# Allegro board LAUNCHXL-CC2640R2.brd
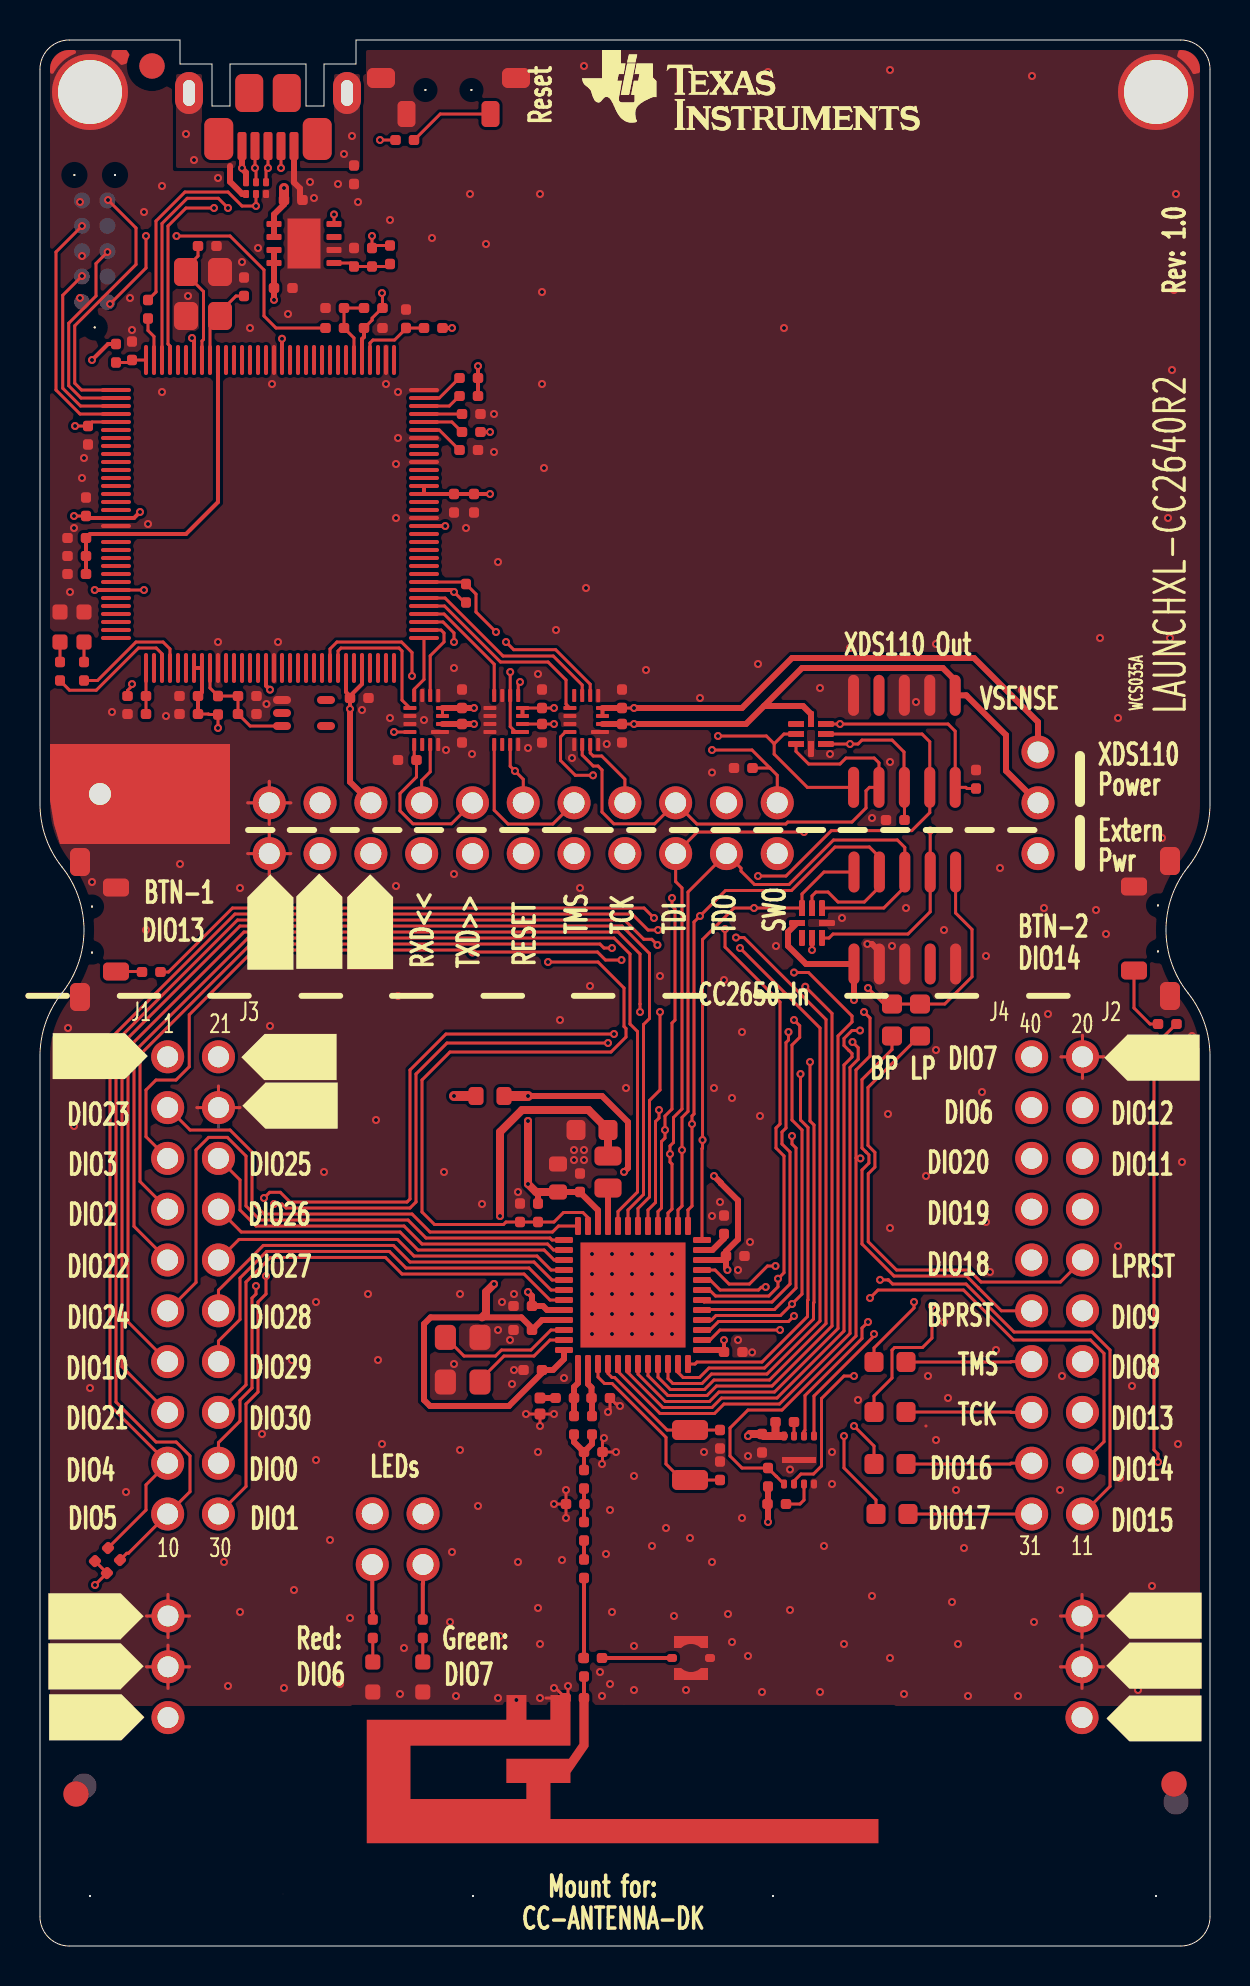
[diagram p0: board, top side]
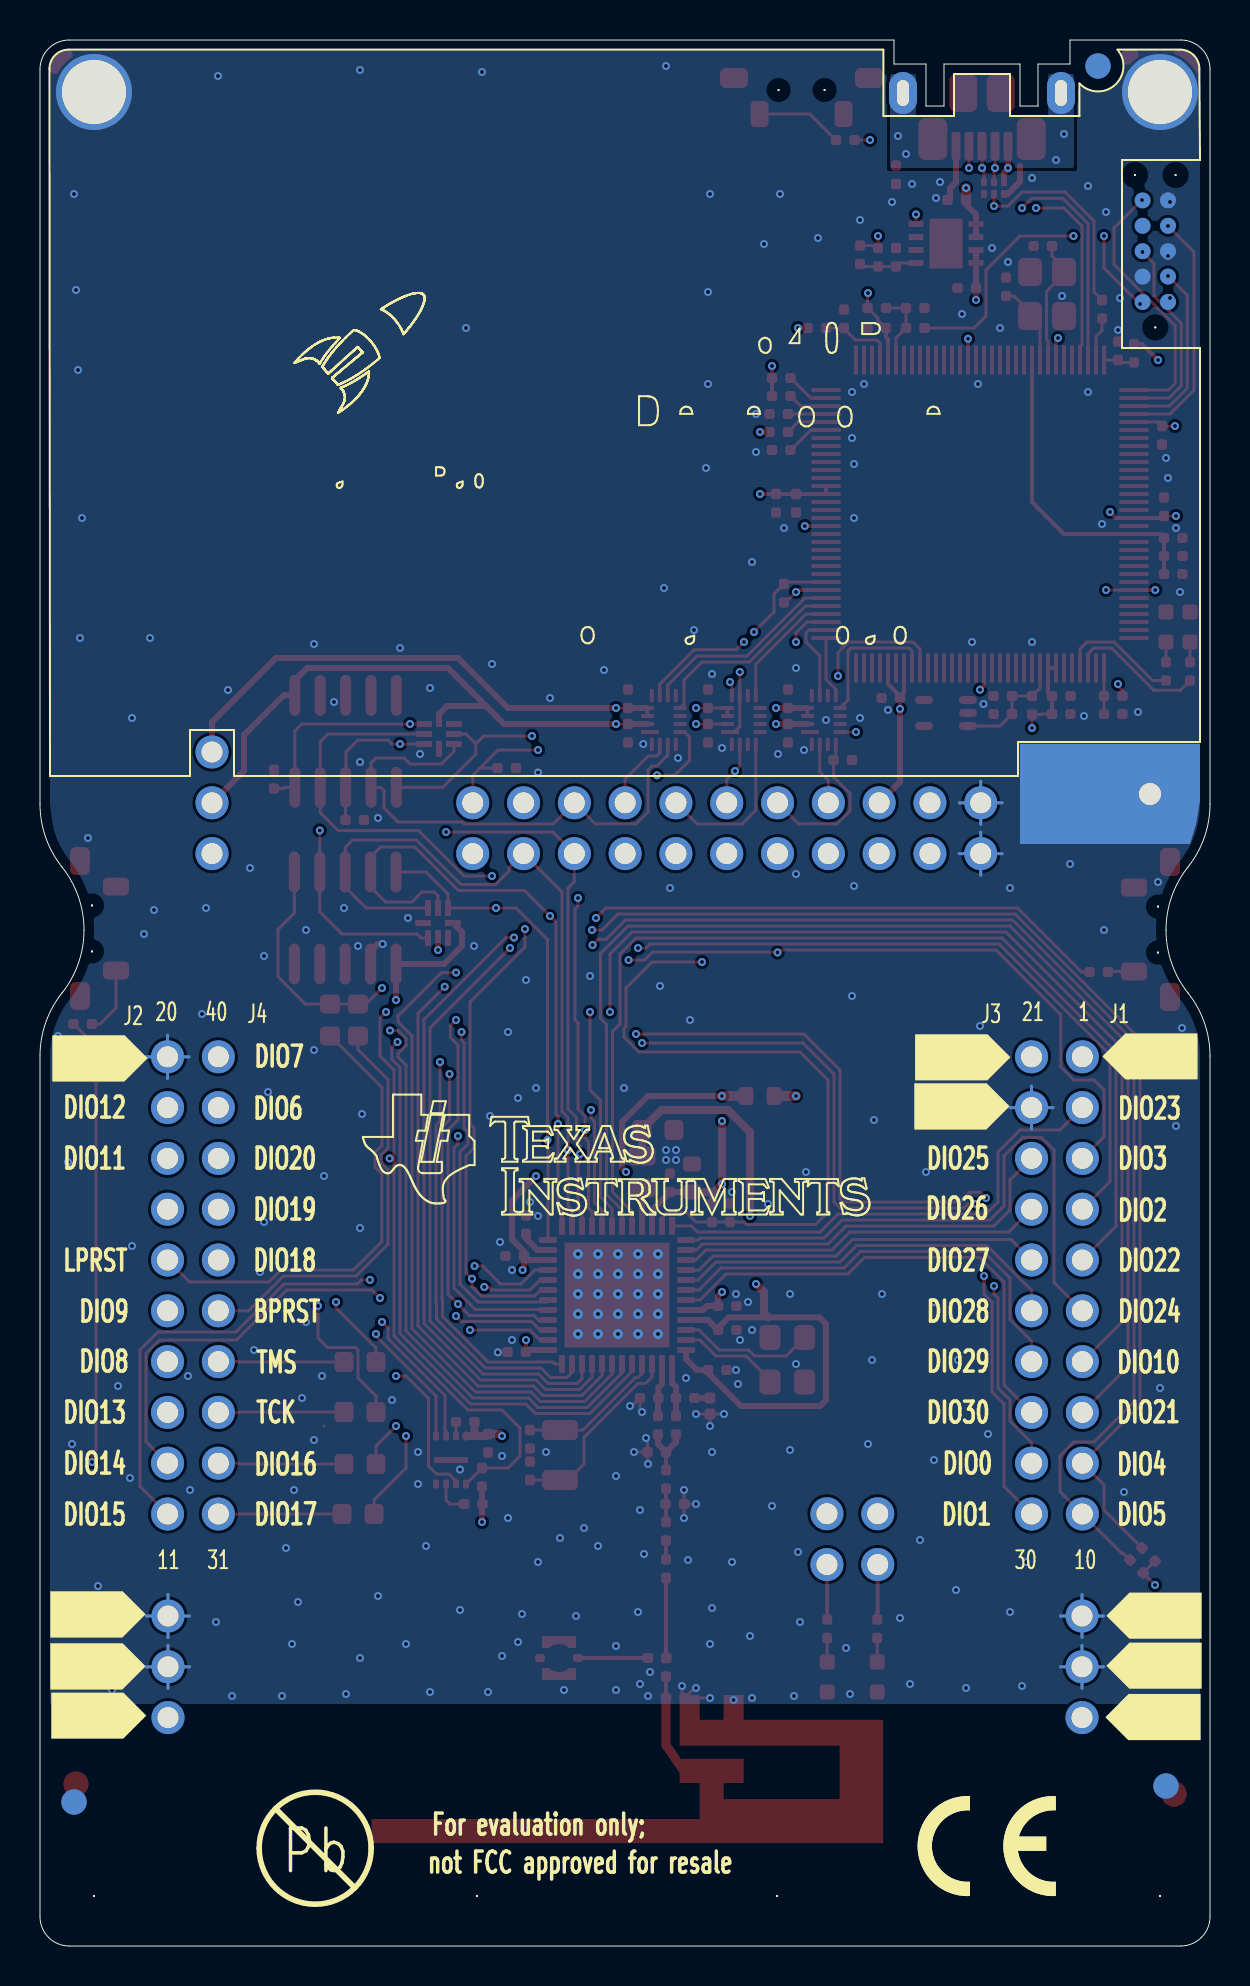
[diagram p1: board, bottom side, seen from below]

Outline 58.5 x 95.3 mm; copper layers: TOP, L2, L3, BOTTOM. Coordinates in mm from the lower left corner of the outline.
Outline path: 0,93.84 0,57.1 arc(0.28,55.43) 1.1,53.95 arc(1.92,52.47) 2.2,50.8 arc(1.92,49.13) 1.1,47.65 arc(0.28,46.17) 0,44.5 0,1.46 arc(0.43,0.43) 1.46,0 57.04,0 arc(58.07,0.43) 58.5,1.46 58.5,44.5 arc(58.22,46.17) 57.4,47.65 arc(56.58,49.13) 56.3,50.8 arc(56.58,52.47) 57.4,53.95 arc(58.22,55.43) 58.5,57.1 58.5,93.84 arc(58.07,94.87) 57.04,95.3 15.8,95.3 15.8,94.1 14.2,94.1 14.2,92 13.3,92 13.3,94.1 9.5,94.1 9.5,92 8.6,92 8.6,94.1 7,94.1 7,95.3 1.46,95.3 arc(0.43,94.87) 0,93.84

## Design rules (mm)
nets with their own width: min track width 0.15; nets GND V-SENSE VDDR VDDS WMCU_VDD XDS_VCC
nets with their own width: min track width 0.3; nets +5V

## Placement (name value [footprint] x y rotation side)
A1  2.4GHz  [ANTENNA_DN007AN]  27.2 12.3 180 top
C3  100nF  [CAPC1005X60B2N]  34.2 29.7 0 top
C4  100nF  [CAPC1005X60B2N]  34.3 34.5 0 top
C5  100nF  [CAPC1005X60B2N]  24.6 32 180 top
C6  10uF  [CAPC1608X90N#2]  25.9 37.7 90 top
C7  100nF  [CAPC1005X60B2N]  27 37.7 90 top
C8  10uF  [CAPC1608X90N]  28.4 40.8 180 top
C9  100nF  [CAPC1005X60B2N]  25.1 28.8 180 top
C11  1pF  [CAPC1005X60B2N]  26.7 26.5 270 top
C12  DNM_0402  [CAPC1005X60B2N]  27.2 24.7 0 top
C13  1pF  [CAPC1005X60B2N]  26.3 22.1 0 top
C15  DNM_0402  [CAPC1005X60B2N]  27.2 12.4 180 top
C16  100nF  [CAPC1005X60B2N]  24.6 30.8 180 top
C17  12pF  [CAPC1005X60B2N]  34 23.3 90 top
C18  12pF  [CAPC1005X60B2N]  34 25.8 270 top
C19  1uF  [CAPC1005X60B2N]  34.2 35.6 90 top
C20  100nF  [CAPC1005X60B2N]  24 36.2 90 top
C21  1pF  [CAPC1005X60B2N]  28.5 27.4 180 top
C24  12pF  [CAPC1005X60B2N]  27.2 18.4 90 top
C30  100nF  [CAPC1005X60B2N]  36.1 25.6 270 top
C31  6.8pF  [CAPC1005X60N]  25 27.4 270 top
C32  100nF  [CAPC1005X60B2N]  9.9 62.5 0 top
C33  12pF  [CAPC1005X60B2N]  10.2 82.5 90 top
C34  12pF  [CAPC1005X60B2N]  7.9 85 0 top
C35  10nF  [CAPC1005X60B2N]  15.5 62.4 0 top
C36  10nF  [CAPC1005X60B2N]  2.3 71.5 90 top
C37  10nF  [CAPC1005X60B2N]  2.4 76 270 top
C38  100nF  [CAPC1005X60B2N]  16.2 80.9 0 top
C39  100nF  [CAPC1005X60B2N]  20.7 72.6 270 top
C40  1uF  [CAPC1005X60B2N]  21.7 72.6 270 top
C41  10nF  [CAPC1005X60B2N]  7.9 62.5 180 top
C42  1uF  [CAPC1005X60B2N]  7.9 61.6 180 top
C43  100nF  [CAPC1005X60B2N]  2.3 70.4 180 top
C44  1uF  [CAPC1005X60B2N]  2.3 69.5 180 top
C45  2.2uF  [CAPC1005X60B2N]  2.3 68.6 180 top
C46  100nF  [CAPC1005X60B2N]  18.3 80.9 90 top
C47  15pF  [CAPC1005X60B2N]  16.6 84.9 270 top
C48  2.2uF  [CAPC1005X60B2N]  12.2 87.3 0 top
C49  2.2uF  [CAPC1005X60B2N]  11.7 82.9 0 top
C50  10nF  [CAPC1005X60B2N]  9.9 61.6 0 top
C51  1.8pF  [CAPC1005X60B2N]  27.2 14.4 270 top
C52  100nF  [CAPC1005X60B2N]  21.1 61.9 90 top
C53  100nF  [CAPC1005X60B2N]  21.1 61.1 270 top
C54  100nF  [CAPC1005X60B2N]  25.1 61.9 90 top
C55  100nF  [CAPC1005X60B2N]  25.1 61.1 270 top
C56  100nF  [CAPC1005X60B2N]  29.1 61.9 90 top
C57  100nF  [CAPC1005X60B2N]  29.1 61.1 270 top
C58  DNM_0402  [CAPC1005X60B2N]  28.1 14.4 180 top
C59  10nF  [CAPC1005X60B2N]  4.6 79.3 90 top
CR1  LPL296-J2L2-25  [LEDC1707X65L]  19.14 12.7 90 top
CR2  LS L296-P2Q2-1  [LEDC1708X67L]  16.64 12.7 90 top
CR4  LS L296-P2Q2-1  [LEDC1708X67L]  1 66.7 270 top
CR5  LPL296-J2L2-25  [LEDC1707X65L]  2.2 66.7 270 top
CR6  TPD4E004DRY  [SON50P100X145X60-6N]  10.3 87.6 0 top
CR7  TPD6E004RSER  [QFN50P150X150X60-8N]  37.8 61.1 270 top
CR8  TPD6E004RSER  [QFN50P150X150X60-8N]  38.1 50.4 0 top
FIDU1  FIDU_1.27mm  [FID127X142]  5.6 94 0 top
FIDU2  FIDU_1.27mm  [FID127X142]  1.8 7.6 0 top
FIDU3  FIDU_1.27mm  [FID127X142]  56.7 8.1 0 top
FIDU4  FIDU_1.27mm  [FID127X142]  5.6 94 180 bottom
FIDU5  FIDU_1.27mm  [FID127X142]  2.2 8 180 bottom
FIDU6  FIDU_1.27mm  [FID127X142]  56.8 7.2 180 bottom
FL1  BLM18HE152SN1  [FIL_BLM18HE152SN1DL]  23.2 42.5 180 top
J1  SSQ-110-23-L-D  [SAMTEC_SSQ11023LD_A2B]  6.38 44.46 0 bottom
J2  SSQ-110-23-L-D  [SAMTEC_SSQ11023LD_A2B]  49.58 44.46 0 bottom
J6  105164-0001  [MOLEX_1051640001_A2N]  10.1 90 0 top
L1  10uH  [INDC2012X150L]  28.4 37.9 90 top
L11  2.4nH  [INDC1005X60B2N]  26.7 27.4 180 top
L12  2nH  [INDC1005X60B2N]  27.2 23.8 270 top
L13  2nH  [INDC1005X60B2N]  27.2 21.2 270 top
L21  2.4nH  [INDC1005X60B2N]  27.6 26.5 270 top
LBL1  NON_COMPONENT_LABEL_8mm  [LABEL_PB-FREE_8MM_A2N]  54.1 1.9 180 bottom
LBL2  CE_label  [CE_LABEL]  12 2.5 180 bottom
M1  SNT-100-BK-G  [SAMTEC_SNT100BKG]  17.9 17.8 90 top
M2  SNT-100-BK-G  [SAMTEC_SNT100BKG]  20.4 17.8 90 top
M3  SNT-100-BK-G  [SAMTEC_SNT100BKG]  12.7 53.3 90 top
M4  SNT-100-BK-G  [SAMTEC_SNT100BKG]  15.3 53.3 90 top
M5  SNT-100-BK-G  [SAMTEC_SNT100BKG]  17.8 53.3 90 top
M6  SNT-100-BK-G  [SAMTEC_SNT100BKG]  20.3 53.3 90 top
M7  SNT-100-BK-G  [SAMTEC_SNT100BKG]  22.9 53.3 90 top
M8  SNT-100-BK-G  [SAMTEC_SNT100BKG]  25.4 53.3 90 top
M9  SNT-100-BK-G  [SAMTEC_SNT100BKG]  28 53.3 90 top
M10  SNT-100-BK-G  [SAMTEC_SNT100BKG]  30.5 53.3 90 top
M11  SNT-100-BK-G  [SAMTEC_SNT100BKG]  33.1 53.3 90 top
M12  SNT-100-BK-G  [SAMTEC_SNT100BKG]  35.6 53.3 90 top
M13  SNT-100-BK-G  [SAMTEC_SNT100BKG]  38.2 53.3 90 top
M14  SNT-100-BK-G  [SAMTEC_SNT100BKG]  51.2 55.9 90 top
MH1  HOLE_3.2mm_NPL  [MTG320]  2.5 2.5 0 top
MH2  HOLE_3.2mm_NPL  [MTG320]  55.8 2.5 0 top
MH3  HOLE_3.2mm_PTH  [MTG320_380]  2.5 92.7 0 top
MH4  HOLE_3.2mm_PTH  [MTG320_380]  55.8 92.7 0 top
MH5  HOLE_1.1mm_PTH  [MTG110_170]  3 57.6 0 top
NOREF  -  []  51.5 42 0 top
NOREF#2  -  []  16.5 46.4 90 top
NOREF#3  -  []  53.1 10 0 top
NOREF#4  #VALUE  [unnamed#2]  21.65 2.5 0 top
NOREF#5  -  []  51.6 14.1 0 top
NOREF#6  -  []  -2 8.9 0 top
NOREF#7  -  []  8.4 41.9 0 top
NOREF#8  -  []  40.01 0 90 top
NOREF#9  -  []  -4.3 43.3 0 top
NOREF#10  -  []  -1.9 11.6 0 top
NOREF#11  -  []  -1.9 14.1 0 top
NOREF#12  -  []  51.6 11.6 0 top
NOREF#13  -  []  0 79.15 0 top
NOREF#14  -  []  13.9 46.5 90 top
NOREF#15  -  []  8.4 39.6 0 top
NOREF#16  -  []  17.7 43.9 90 top
NOREF#17  -  []  69.6 61.5 0 top
NOREF#18  -  []  6.9 14.1 180 bottom
NOREF#19  #VALUE  []  96.5 59.2 180 bottom
NOREF#20  -  []  76.2 40.5 180 bottom
NOREF#21  -  []  60.2 42 180 bottom
NOREF#22  -  []  17.1 39.6 180 bottom
NOREF#23  -  []  6.9 8.9 180 bottom
NOREF#24  -  []  5.6 43.1 180 bottom
NOREF#25  -  []  6.9 11.6 180 bottom
NOREF#26  -  []  123.1 13 180 bottom
NOREF#27  -  []  95.6 48.4 180 bottom
NOREF#28  -  []  60.3 14.2 180 bottom
NOREF#29  -  []  60.3 11.6 180 bottom
NOREF#30  -  []  17.2 41.9 180 bottom
NOREF#31  -  []  58 10.3 180 bottom
NOREF#32  -  []  51.53 65.52 180 bottom
P1  BB02-HC031-KB1-603000  [GRADCONN_BB02HC031KB1603000_A2B]  52.1 11.42 90 top
P2  BB02-HC031-KB1-603000  [GRADCONN_BB02HC031KB1603000_A2B]  6.4 11.42 90 top
P4  BB02-HJ221-KB1-603000  [GRADCONN_BB02HJ221KB160300_A2B]  36.86 57.16 180 top
P5  FTSH-105-01-F-DV-K  [SAMTEC_FTSH-105-01-F-DV-K-10L]  40.7 49.1 0 top
P6  BB02-HJ041-KB1-603000  [GRADCONN_BB02HJ041KB1603000_A2B]  16.61 19.07 0 top
P7  FTSH-105-01-F-DV-K  [SAMTEC_FTSH-105-01-F-DV-K-10L]  45.76 62.53 180 top
P8  TC2050-IDC-NL  [TAGCONNECT_TC2050IDCNLN]  2.1 82.2 90 bottom
P10  BB02-HC031-KB1-603000  [GRADCONN_BB02HC031KB1603000_A2B]  49.9 59.7 270 top
P11  MM5829-2700  [MURATA_MM58292700RJ4_A2N]  31.6 14.4 0 top
R1  100k  [RESC1005X40B2N]  24.9 36.2 90 top
R2  3.3k  [RESC1005X40B2N]  3.4 19.9 225 top
R3  3.3k  [RESC1005X40B2N]  4 19.3 225 top
R11  2.2k  [RESC1005X40B2N]  36.4 23.9 270 top
R14  220  [RESC1005X40B2N]  16.64 15.4 90 top
R15  180  [RESC1005X40B2N]  19.14 15.4 90 top
R17  10k  [RESC1005X40B2N]  16.2 81.9 0 top
R18  4.7k  [RESC1005X40B2N]  8.9 62.5 270 top
R20  100  [RESC1005X40B2N]  15.2 80.9 180 top
R21  DNM  [RESC1005X40B2N]  15.2 81.9 180 top
R22  330k  [RESC1005X40B2N]  5.3 62.5 180 top
R23  180  [RESC1005X40B2N]  1 64.2 270 top
R24  220k  [RESC1005X40B2N]  5.3 61.6 180 top
R25  220  [RESC1005X40B2N]  2.2 64.2 270 top
R27  1k  [RESC1005X40B2N]  21.9 77.5 180 top
R28  4.87k  [RESC1005X40B2N]  21.9 74.8 180 top
R29  1k  [RESC1005X40B2N]  21.1 76.6 0 top
R30  1k  [RESC1005X40B2N]  21.1 75.7 0 top
R31  51  [RESC1005X40B2N]  19.2 80.9 0 top
R32  33k  [RESC1005X40B2N]  15.7 88.1 90 top
R33  51k  [RESC1005X40B2N]  17.5 84.1 90 top
R34  30k  [RESC1005X40B2N]  15.7 84.9 270 top
R39  1k  [RESC1005X40B2N]  21.9 78.4 180 top
R46  DNM  [RESC1608X55N]  43.3 29.2 180 top
R47  DNM  [RESC1608X55N]  43.3 26.7 180 top
R48  DNM  [RESC1608X55N]  43.3 24.1 180 top
R49  DNM  [RESC1608X55N]  43.4 21.6 180 top
R51  DNM  [RESC1608X55N]  44 45.5 90 top
R52  0  [RESC1608X55N]  42.6 47.1 270 top
R55  100  [RESC1005X40B2N]  55.9 46.1 0 top
R56  100  [RESC1005X40B2N]  5.1 48.7 0 top
R57  100  [RESC1005X40B2N]  18.7 90.3 180 top
R58  3.3k  [RESC1005X40B2N]  21.3 68.1 270 top
R59  DNM  [RESC1005X40B2N]  37.3 22.1 180 top
R60  DNM  [RESC1005X40B2N]  37.7 26.2 180 top
R61  100k  [RESC1005X40B2N]  17.9 59.3 0 top
R62  100k  [RESC1005X40B2N]  34.7 58.9 0 top
R63  100k  [RESC1005X40B2N]  42.3 56.3 0 top
R65  100k  [RESC1005X40B2N]  46.8 58.8 270 top
R66  100  [RESC1005X40B2N]  3.8 80.1 270 top
R67  DNM  [RESC1005X40B2N]  5.4 82.3 270 top
SW1  1188E-1K2-V  [SW_1188E1K2V_A2N]  2 54.2 270 top
SW2  1188E-1K2-V  [SW_1188E1K2V_A2N]  56.5 47.5 90 top
SW3  1188E-1K2-V  [SW_1188E1K2V_A2N]  23.8 93.4 180 top
U1  CC2640R2FRGZ  [QFNFC50P700X700X100-49A2N]  26.9 29.1 0 top
U4  MX25R8035FZUIL0  [SON50P300X200X60-9B2L]  37.2 23.1 0 top
U5  TM4C1294NCPDTT3R  [QFP40P1600X1600X120-128N]  5.3 63.9 0 top
U6  LM4040B25IDCK  [SOT65P210X110-5N]  12.1 62.3 270 top
U7  TPS79601DR  [SON65P300X300X100-9AL]  11.7 86.1 270 top
U8  SN74AVC4T245RSV  [QFNFC40P180X260X55-16A2L]  20 60.7 90 top
U9  SN74AVC4T245RSV  [QFNFC40P180X260X55-16A2L]  28 60.7 90 top
U10  SN74AVC4T245RSV  [QFNFC40P180X260X55-16A2L]  24 60.7 90 top
UNK#REFDES  -  []  28.1 94.8 0 top
Y1  32.768kHz  [XTAL_FC-135N]  32.5 23.3 90 top
Y2  24MHz  [OSCCC250X320X60-4L]  22 28.2 90 top
Y3  16MHz  [OSCCC250X320X100-4BN]  9 81.5 90 top

## Library data of the parts
A1 = ANTENNA_DN007
C3-C5 C7 C9 C11-C13 C15-C21 C24 C30 C32-C50 C52-C59 = CAPACITOR: User Part Number: #PN
C6 C8 = CAPACITOR: alternate symbols: (CAPC1608X90L,CAPC1608X90M)
C31 = CAPACITOR: alternate symbols: (CAPC1005X60L,CAPC1005X60M)
C51 = CAPACITOR_HOR: User Part Number: #PN
CR1 CR5 = LED: alternate symbols: (LEDC1707X65L,LEDC1707X65M)
CR2 CR4 = LED: alternate symbols: (LEDC1708X67L,LEDC1708X67M)
CR6 = DIODE_TPD4E004_SON6: User Part Number: #PN; alternate symbols: (SON50P100X145X65-6L,SON50P100X145X65-6M)
CR7 CR8 = DIODE_TVS_TPD6E004_QFN8_V1: alternate symbols: (QFN50P150X150X60-8L,QFN50P150X150X60-8M)
FIDU1-FIDU6 = FIDMARK
FL1 = FILTER_2PIN: alternate symbols: (FIL_BLM18HE152SN1DL,FIL_BLM18HE152SN1DM)
J1 J2 = CONN_HEADER_2X10_J_S_V1: User Part Number: #PN; alternate symbols: (SAMTEC_SSQ11023LD_A2C,SAMTEC_SSQ11023LD_A2A)
J6 = CONN_USB_MICRO_B_2MH: User Part Number: #PN; alternate symbols: (MOLEX_1051640001_A2L,MOLEX_1051640001_A2M)
L1 = INDUCTOR: alternate symbols: (INDC2012X150L,INDC2012X150M)
L11-L13 L21 = INDUCTOR: User Part Number: #PN
LBL1 = LABEL_Pb-free_V1: User Part Number: #PN
LBL2 = CE_LABEL
M1-M14 = MECH_SHUNT_JUMPER_V1: User Part Number: #PN
MH1 MH2 = HOLE_NPL
MH3-MH5 = HOLE_PTH
NOREF#4 NOREF#19 = -: User Part Number: #PN
P1 P2 P10 = CONN_HEADER_3_P_S: User Part Number: #PN; alternate symbols: (GRADCONN_BB02HC031KB1603000_A2C,GRADCONN_BB02HC031KB1603000_A2A)
P4 = CONN_HEADER_2X11_P_S: User Part Number: #PN; alternate symbols: (GRADCONN_BB02HJ221KB160300_A2C,GRADCONN_BB02HJ221KB160300_A2A)
P5 P7 = CONN_HEADER_2X5: alternate symbols: (SAMTEC_FTSH-105-01-F-DV-K-10L,SAMTEC_FTSH-105-01-F-DV-K-10M)
P6 = CONN_HEADER_2X2_P: User Part Number: #PN; alternate symbols: (GRADCONN_BB02HJ041KB1603000_A2C,GRADCONN_BB02HJ041KB1603000_A2A)
P8 = CONN_IDC_TC2050-IDC-NL: User Part Number: #PN; alternate symbols: (TAGCONNECT_TC2050IDCNLL,TAGCONNECT_TC2050IDCNLM)
P11 = CONN_COAX_1_1_P_2MH_V1: User Part Number: #PN; alternate symbols: (MURATA_MM58292700RJ4_A2L,MURATA_MM58292700RJ4_A2M)
R1 R61-R63 R65 = RESISTOR: User Part Number: #PN; alternate symbols: (RESC1005X40B2L,RESC1005X40B2M)
R2 R3 R11 R14 R15 R17 R18 R20-R25 R27-R34 R39 R55-R60 R66 R67 = RESISTOR: User Part Number: #PN
R46-R49 R51 R52 = RESISTOR: alternate symbols: (RESC1608X55L,RESC1608X55M)
SW1-SW3 = SWITCH_TACT_V2: alternate symbols: (SW_1188E1K2V_A2L,SW_1188E1K2V_A2M)
U1 = IC_RF_CC2640_VQFN48_V1: User Part Number: #PN; alternate symbols: (QFNFC50P700X700X100-49A2L,QFNFC50P700X700X100-49A2M)
U4 = IC_FLASH_MX25R8035F_USON8: User Part Number: #PN; alternate symbols: (SON50P300X200X60-9B2L,SON50P300X200X60-9B2M)
U5 = IC_PROC_TM4C1294NCPDT_TQFP128: alternate symbols: (QFP40P1600X1600X120-128L,QFP40P1600X1600X120-128M)
U6 = IC_REF_LM4040_SC70-5: alternate symbols: (SOT65P210X110-5L,SOT65P210X110-5M)
U7 = IC_PM_TPS79601_SON8: alternate symbols: (SON65P300X300X100-9AL,SON65P300X300X100-9AM)
U8-U10 = IC_XCVR_SN74AVC4T245_UQFN16_2: User Part Number: #PN; alternate symbols: (QFNFC40P180X260X55-16A2L,QFNFC40P180X260X55-16A2M)
Y1 = CRYSTAL: alternate symbols: (XTAL_FC-135L,XTAL_FC-135M)
Y2 = XTAL_4PIN_S: alternate symbols: (OSCCC250X320X60-4L,OSCCC250X320X60-4M)
Y3 = XTAL_4: alternate symbols: (OSCCC250X320X100-4BL,OSCCC250X320X100-4BM)

## Footprints (pads in the part's own frame, mm; a bottom-side part is the same pattern mirrored in y, then rotated)
ANTENNA_DN007AN
  rect 0.46x0.5 smd: 1(0,0)
  rect 1.001x0.5 smd: 2(1.18,0) 3(3.38,0)
CAPC1005X60B2N
  custom 0.524x0.5 smd: 1(0,0) 2(0.924,0)
CAPC1005X60N
  custom 0.548x0.538 smd: 1(0,0) 2(0.8,0)
CAPC1608X90N
  custom 0.95x1 smd: 1(0,0) 2(1.6,0)
CAPC1608X90N#2
  custom 0.752x0.9 smd: 1(0,0) 2(1.4,0)
CE_LABEL
  oval 0.025x0.051 smd: 1(-0.15,0.1)
FID127X142
  round 1.27 smd: 1(0,0)
FIL_BLM18HE152SN1DL
  custom 0.752x0.9 smd: 1(0,0) 2(1.4,0)
GRADCONN_BB02HC031KB1603000_A2B
  round 1.65 hole 1.05: 1(0,0) 2(2.54,0) 3(5.08,0)
GRADCONN_BB02HJ041KB1603000_A2B
  round 1.65 hole 1.05: 1(0,0) 2(0,2.54) 3(2.54,0) 4(2.54,2.54)
GRADCONN_BB02HJ221KB160300_A2B
  round 1.65 hole 1.05: 1(0,0) 2(0,2.54) 3(2.54,0) 4(2.54,2.54) 5(5.08,0) 6(5.08,2.54) 7(7.62,0) 8(7.62,2.54) 9(10.16,0) 10(10.16,2.54) 11(12.7,0) 12(12.7,2.54) 13(15.24,0) 14(15.24,2.54) 15(17.78,0) 16(17.78,2.54) 17(20.32,0) 18(20.32,2.54) 19(22.86,0) 20(22.86,2.54) 21(25.4,0) 22(25.4,2.54)
INDC1005X60B2N
  custom 0.524x0.5 smd: 1(0,0) 2(0.924,0)
INDC2012X150L
  custom 0.95x1.352 smd: 1(0,0) 2(1.6,0)
LEDC1707X65L
  custom 0.752x0.752 smd: 1(0,0) 2(1.501,0)
LEDC1708X67L
  custom 0.752x0.752 smd: 1(0,0) 2(1.501,0)
MOLEX_1051640001_A2N
  custom 1.45x2.1 smd: (-1.162,0.35) (3.762,0.35)
  custom 1.4x1.9 smd: (0.362,2.65) (2.238,2.65)
  custom 0.45x1.4 smd: 1(0,0) 2(0.65,0) 3(1.3,0) 4(1.95,0) 5(2.6,0)
  oval 1.4x2.1 hole 0.6x1.3: M1(-2.65,2.65) M2(5.25,2.65)
MTG110_170
  round 1.699 hole 1.1: 1(0,0)
MTG320
  round 0.099 hole 3.2 unplated: (0,0)
MTG320_380
  round 3.8 hole 3.2: 1(0,0)
MURATA_MM58292700RJ4_A2N
  custom 0.5x0.4 smd: 1(0,0) 2(1.9,0)
  custom 1.7x0.6 smd: M1(0.95,-0.8) M2(0.95,0.8)
OSCCC250X320X60-4L
  custom 1.25x1.052 smd: 1(0,0) 2(2.23,0) 3(2.23,1.73) 4(0,1.73)
OSCCC250X320X100-4BN
  custom 1.402x1.198 smd: 1(0,0) 2(2.2,0) 3(2.2,1.699) 4(0,1.699)
QFN50P150X150X60-8N
  custom 0.3x0.8 smd: 1(0,0) 2(0.5,0) 3(1,0) 5(1,1.5) 6(0.5,1.5) 7(0,1.5)
  custom 0.8x0.3 smd: 4(1.25,0.75) 8(-0.25,0.75)
QFNFC40P180X260X55-16A2L
  custom 0.2x0.9 smd: 1(0,0)
  custom 0.2x0.65 smd: 2(0.4,-0.125) 3(0.8,-0.125) 4(1.2,-0.125) 9(1.2,1.505) 10(0.8,1.505) 11(0.4,1.505) 12(0,1.505)
  custom 0.65x0.2 smd: 5(1.825,0.09) 6(1.825,0.49) 7(1.825,0.89) 8(1.825,1.29) 13(-0.625,1.29) 14(-0.625,0.89) 15(-0.625,0.49) 16(-0.625,0.09)
QFNFC50P700X700X100-49A2N
  custom 0.3x0.9 smd: 1(0,0) 2(0.5,0) 3(1,0) 4(1.5,0) 5(2,0) 6(2.5,0) 7(3,0) 8(3.5,0) 9(4,0) 10(4.5,0) 11(5,0) 12(5.5,0) 25(5.5,6.9) 26(5,6.9) 27(4.5,6.9) 28(4,6.9) 29(3.5,6.9) 30(3,6.9) 31(2.5,6.9) 32(2,6.9) 33(1.5,6.9) 34(1,6.9) 35(0.5,6.9) 36(0,6.9)
  custom 0.9x0.3 smd: 13(6.2,0.7) 14(6.2,1.2) 15(6.2,1.7) 16(6.2,2.2) 17(6.2,2.7) 18(6.2,3.2) 19(6.2,3.7) 20(6.2,4.2) 21(6.2,4.7) 22(6.2,5.2) 23(6.2,5.7) 24(6.2,6.2) 37(-0.7,6.2) 38(-0.7,5.7) 39(-0.7,5.2) 40(-0.7,4.7) 41(-0.7,4.2) 42(-0.7,3.7) 43(-0.7,3.2) 44(-0.7,2.7) 45(-0.7,2.2) 46(-0.7,1.7) 47(-0.7,1.2) 48(-0.7,0.7)
  rect 5.25x5.25 smd: 49(2.75,3.45)
QFP40P1600X1600X120-128N
  oval 0.201x1.501 smd: 1(0,0) 2(0.399,0) 3(0.8,0) 4(1.199,0) 5(1.6,0) 6(1.999,0) 7(2.4,0) 8(2.799,0) 9(3.2,0) 10(3.599,0) 11(4,0) 12(4.399,0) 13(4.801,0) 14(5.199,0) 15(5.601,0) 16(6,0) 17(6.401,0) 18(6.8,0) 19(7.201,0) 20(7.6,0) 21(8.001,0) 22(8.4,0) 23(8.801,0) 24(9.2,0) 25(9.601,0) 26(10,0) 27(10.399,0) 28(10.8,0) 29(11.199,0) 30(11.6,0) 31(11.999,0) 32(12.4,0) 65(12.4,15.4) 66(11.999,15.4) 67(11.6,15.4) 68(11.199,15.4) 69(10.8,15.4) 70(10.399,15.4) 71(10,15.4) 72(9.601,15.4) 73(9.2,15.4) 74(8.801,15.4) 75(8.4,15.4) 76(8.001,15.4) 77(7.6,15.4) 78(7.201,15.4) 79(6.8,15.4) 80(6.401,15.4) 81(6,15.4) 82(5.601,15.4) 83(5.199,15.4) 84(4.801,15.4) 85(4.399,15.4) 86(4,15.4) 87(3.599,15.4) 88(3.2,15.4) 89(2.799,15.4) 90(2.4,15.4) 91(1.999,15.4) 92(1.6,15.4) 93(1.199,15.4) 94(0.8,15.4) 95(0.399,15.4) 96(0,15.4)
  oval 1.501x0.201 smd: 33(13.899,1.501) 34(13.899,1.9) 35(13.899,2.301) 36(13.899,2.7) 37(13.899,3.099) 38(13.899,3.5) 39(13.899,3.899) 40(13.899,4.3) 41(13.899,4.699) 42(13.899,5.1) 43(13.899,5.499) 44(13.899,5.9) 45(13.899,6.299) 46(13.899,6.7) 47(13.899,7.099) 48(13.899,7.501) 49(13.899,7.899) 50(13.899,8.301) 51(13.899,8.7) 52(13.899,9.101) 53(13.899,9.5) 54(13.899,9.901) 55(13.899,10.3) 56(13.899,10.701) 57(13.899,11.1) 58(13.899,11.501) 59(13.899,11.9) 60(13.899,12.301) 61(13.899,12.7) 62(13.899,13.099) 63(13.899,13.5) 64(13.899,13.899) 97(-1.501,13.899) 98(-1.501,13.5) 99(-1.501,13.099) 100(-1.501,12.7) 101(-1.501,12.301) 102(-1.501,11.9) 103(-1.501,11.501) 104(-1.501,11.1) 105(-1.501,10.701) 106(-1.501,10.3) 107(-1.501,9.901) 108(-1.501,9.5) 109(-1.501,9.101) 110(-1.501,8.7) 111(-1.501,8.301) 112(-1.501,7.899) 113(-1.501,7.501) 114(-1.501,7.099) 115(-1.501,6.7) 116(-1.501,6.299) 117(-1.501,5.9) 118(-1.501,5.499) 119(-1.501,5.1) 120(-1.501,4.699) 121(-1.501,4.3) 122(-1.501,3.899) 123(-1.501,3.5) 124(-1.501,3.099) 125(-1.501,2.7) 126(-1.501,2.301) 127(-1.501,1.9) 128(-1.501,1.501)
RESC1005X40B2N
  custom 0.524x0.5 smd: 1(0,0) 2(0.924,0)
RESC1608X55N
  custom 0.95x1 smd: 1(0,0) 2(1.6,0)
SAMTEC_FTSH-105-01-F-DV-K-10L
  oval 0.551x2.05 smd: 1(0,0) 2(0,4.6) 3(1.27,0) 4(1.27,4.6) 5(2.54,0) 6(2.54,4.6) 7(3.81,0) 8(3.81,4.6) 9(5.08,0) 10(5.08,4.6)
SAMTEC_SSQ11023LD_A2B
  round 1.65 hole 1.05: 1(0,0) 2(2.54,0) 3(0,2.54) 4(2.54,2.54) 5(0,5.08) 6(2.54,5.08) 7(0,7.62) 8(2.54,7.62) 9(0,10.16) 10(2.54,10.16) 11(0,12.7) 12(2.54,12.7) 13(0,15.24) 14(2.54,15.24) 15(0,17.78) 16(2.54,17.78) 17(0,20.32) 18(2.54,20.32) 19(0,22.86) 20(2.54,22.86)
SON50P100X145X60-6N
  custom 0.3x0.402 smd: 1(0,0) 2(0.5,0) 3(1.001,0) 4(1.001,0.589) 5(0.5,0.589) 6(0,0.589)
SON50P300X200X60-9B2L
  custom 0.3x0.45 smd: 1(0,0) 2(0.5,0) 3(1,0) 4(1.5,0) 5(1.5,2.4) 6(1,2.4) 7(0.5,2.4) 8(0,2.4)
  rect 1.7x0.3 smd: 9(0.75,1.2)
SON65P300X300X100-9AL
  custom 0.3x0.75 smd: 1(0,0) 2(0.65,0) 3(1.3,0) 4(1.95,0) 5(1.95,3) 6(1.3,3) 7(0.65,3) 8(0,3)
  rect 2.5x1.65 smd: 9(0.975,1.5)
SOT65P210X110-5N
  oval 0.399x0.899 smd: 1(0,0) 2(0.65,0) 3(1.3,0) 4(1.3,2.2) 5(0,2.2)
SW_1188E1K2V_A2N
  round 0.099 hole 0.899 unplated: (2.229,0.6) (4.529,0.6)
  custom 1.4x1 smd: 1(0,0) 2(6.75,0)
  custom 0.9x1.3 smd: 3(1.275,1.8) 4(5.475,1.8)
TAGCONNECT_TC2050IDCNLN
  round 0.099 hole 1.001 unplated: (-1.27,0.635) (6.35,-0.38) (6.35,1.65)
  round 0.8 smd: 1(0,0) 2(1.27,0) 3(2.54,0) 4(3.81,0) 5(5.08,0) 6(5.08,1.27) 7(3.81,1.27) 8(2.54,1.27) 9(1.27,1.27) 10(0,1.27)
unnamed#2
  round 0.099 hole 3.2 unplated: (0,0) (15,0)
XTAL_FC-135N
  custom 1x1.798 smd: 1(0,0) 2(2.499,0)
